# Altium PCB WL-MAIN.PcbDoc (part 3 of 4) (continued)
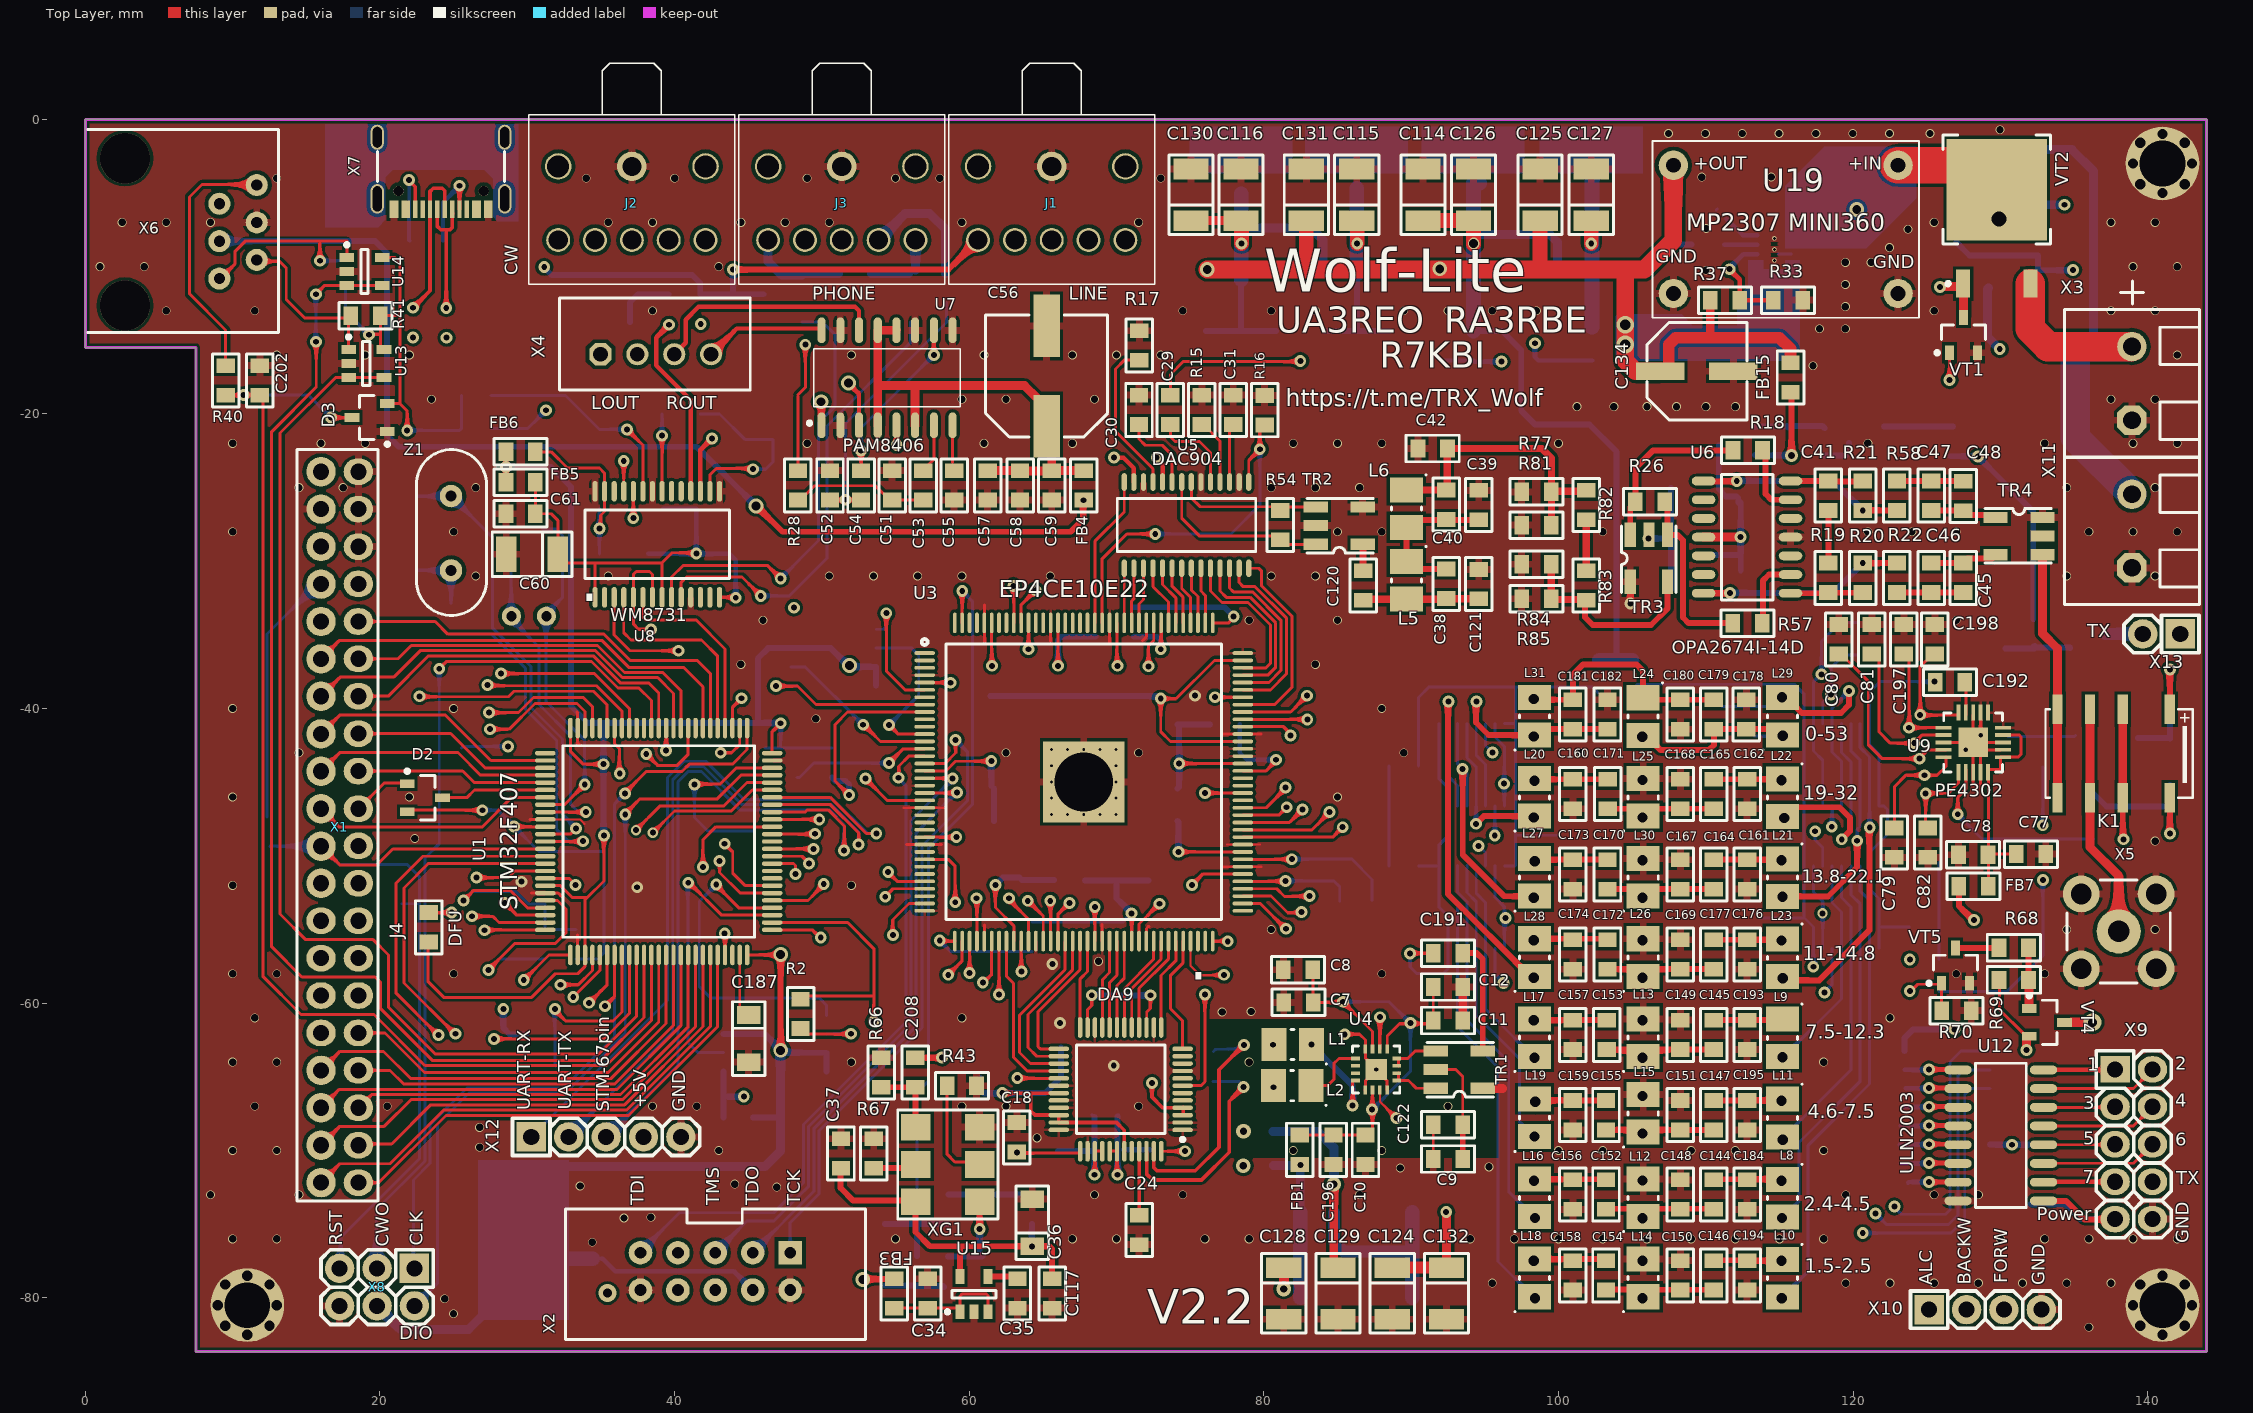
[diagram p0: Top Layer view]
## Nets (pads, with @x,y where several pads share a name; then routed paths per layer and width w, separated by ;. In a path a pad name is that pad's centre, name@x,y a point inside that pad or via, vN(x,y) a via of type N, cw(c..) or ccw(c..) an arc to the next point about the centre after c; other vN are vias at no path point) (continued)
NetR8_2: R8.2 U1.13 | length 22.5
  Top Layer w0.2: U1.13@31.225,-49.025 v1@33.725,-49.025
  Bottom Layer w0.2: R8.2@24.825,-34.925 27.53,-34.925 29.875,-37.27 29.875,-40.05 32,-42.175 32,-48.225 32.775,-49 v1(33.775,-49)
NetR9_2: R9.2 U3.9 | length 13.7
  Top Layer w0.2: v1(51.85,-45.875) 50.9,-44.925 50.9,-41.075 51.743,-40.232 U3.9@56.975,-40.232
  Bottom Layer w0.4: R9.2@50.675,-44.675 50.924,-44.924 51.599,-44.924 51.85,-45.175 v1(51.85,-45.875)
NetR10_2: R10.2 U3.14 | length 9.5
  Top Layer w0.2: v1(54.55,-43.7) 55.518,-42.732 U3.14@56.975,-42.732
  Bottom Layer w0.2: R10.2@48.325,-44.675 48.475,-44.675 49.45,-43.7 v1(54.55,-43.7)
NetR13_1: R13.1 R14.2 VT8.1 | length 4.5
  Bottom Layer w0.4: R14.2@130.325,-35.925 130.331,-35.919 132.282,-35.919 R13.1@132.3,-35.937 ; R13.1@132.193,-35.847 R13.1@132.25,-35.79 ; R13.1@132.325,-35.75 R13.1@132.406,-35.831 ; R13.1@132.442,-35.867 134.715,-35.867 VT8.1@134.735,-35.887
NetR15_2: R15.2 U5.18 | length 4.5
  Top Layer w0.2: R15.2@75.792,-20.725 75.9,-20.725 77.025,-21.85 U5.18@77.025,-24.625
NetR18_2: R18.2 U6.6 | length 4.7
  Top Layer w0.4: R18.2@114.05,-22.55 114.05,-25.425 114.45,-25.825 U6.6@115.75,-25.825
NetR19_2: R19.2 R20.1 U6.1 | length 5
  Top Layer w0.4: U6.1@115.75,-32.175 118.29,-32.175 118.325,-32.14 R20.1@120.75,-32.14
NetR20_2: R20.2 R22.1 U6.14 | length 14
  Top Layer w0.4: U6.14@109.85,-32.175 v1@111.65,-32.175 ; v1(120.65,-30.125) R22.1@122.975,-30.125
  Bottom Layer w0.4: v1(111.65,-32.15) 118.625,-32.15 v1(120.65,-30.125)
NetR21_2: R21.2 R58.1 U6.8 | length 14
  Top Layer w0.4: U6.8@109.85,-24.555 109.87,-24.575 v1@112.125,-24.575 ; v1(120.65,-26.55) R58.1@122.975,-26.55
  Bottom Layer w0.4: v1(112.1,-24.55) 118.65,-24.55 v1(120.65,-26.55)
NetR29_1: R29.1 U8.21 | length 5.2
  Top Layer w0.2: U8.21@39.15,-25.25 v1(39.15,-21.475)
  Bottom Layer w0.2: v1(39.15,-21.475) R29.1@39.15,-20
NetR30_1: R30.1 U8.18 | length 12.6
  Top Layer w0.3: v1(39.625,-13.95) 38.76,-14.815 38.76,-16.71 41.1,-19.05 U8.18@41.1,-25.25
NetR31_1: R31.1 U8.17 | length 12.4
  Top Layer w0.3: U8.17@41.75,-25.25 41.75,-22.45 v1@42.5,-21.7
  Layer 2 w0.3: v1(41.775,-13.9) 41.225,-14.45 41.225,-20.351 v1(42.534,-21.66)
NetR32_2: R32.2 U20.7 | length 2.3
  Bottom Layer w0.2: R32.2@111.25,-8.5 R32.2@111.258,-8.508
  Bottom Layer w0.3: R32.2@111.258,-8.508 U20.7@113.5,-8.508
NetR33_1: R33.1 R37.2 U20.6 | length 7.1
  Top Layer w0.3: v1(111.6,-10.175) 112.3,-10.875 R37.2@112.3,-12.175 ; R37.2@112.304,-12.271 R33.1@114.587,-12.271 114.729,-12.271 R33.1@114.775,-12.225
  Bottom Layer w0.3: v1(111.6,-10.175) 111.6,-10.1 112.542,-9.158 U20.6@113.5,-9.158
NetR39_1: R39.1 R53.2 VT3.1 | length 4.6
  Bottom Layer w0.2: R53.2@130.525,-41.9 135.024,-41.9 VT3.1@135.099,-41.825
NetR43_1: R43.1 XG1.2 | length 7.1
  Top Layer w0.2: R43.1@58.502,-65.606 58.502,-70.252 59.025,-70.775 60.375,-70.775 XG1.2@60.625,-71.025
  Top Layer w0.4: XG1.2@61.1,-71.225 XG1.2@61.125,-71.2
NetR51_1: R51.1 VD2.1 VT1.3 VT2.1 | length 20
  Top Layer w0.2: VT2.1@127.47,-11.341 VT2.1@127.5,-11.371
  Top Layer w0.6: v1@125.884,-11.341 VT2.1@127.47,-11.341 ; VT1.3@127.5,-13.45 VT2.1@127.5,-11.371
  Layer 2 w0.6: v1(125.9,-11.375) 132.125,-11.375 134.35,-9.15 v1(134.35,-5.8)
  Bottom Layer w0.6: R51.1@132.5,-4.05 132.5,-5.65 VD2.1@132.65,-5.8 v1@134.45,-5.8
NetR51_2: R51.2 R52.2 VT2.2 X3.2 X11.2 | length 47.7
  Top Layer w2: VT2.2@132.03,-11.157 132.03,-14.23 133.225,-15.425 X3.2@138.875,-15.425
  Bottom Layer w0.6: R52.2@127,-2.05 132.45,-2.05 R51.2@132.5,-2.1 ; R51.2@132.5,-2.05 134.85,-2.05 136.325,-3.525 136.325,-15.425
  Bottom Layer w2: X3.2@138.875,-15.425 136.325,-15.425 135.075,-15.425 135.075,-21.6 X11.2@138.925,-25.45
NetR52_1: R52.1 VD1.2 VD2.2 X1.1 | length 150.6
  Layer 3 w0.4: X1.1@16,-23.92 17.825,-22.095 17.825,-10.4 20.7,-7.525 29.55,-7.525 32.15,-4.925 125.675,-4.925 130.975,-10.225 v1(134.925,-10.225)
  Bottom Layer w0.4: R52.1@126.975,-4.025 R52.1@127,-4.05 127,-8.35 127.9,-9.25 132.55,-9.25 132.55,-10.25 ; VD1.2@132.55,-11.45 132.55,-10.25 ; v1@134.85,-10.25 132.55,-10.25
NetR54_1: R54.1 TR2.1 U5.22 | length 12.3
  Top Layer w0.2: U5.22@74.425,-24.625 74.425,-27.075 75.65,-28.3 80.875,-28.3 R54.1@81.125,-28.55 81.425,-28.85 TR2.1@83.525,-28.85
NetR54_2: R54.2 TR2.3 U5.21 | length 10
  Top Layer w0.2: U5.21@75.075,-24.625 75.075,-25.7 75.675,-26.3 80.875,-26.3 R54.2@81.125,-26.55 81.365,-26.31 TR2.3@83.525,-26.31
NetR56_2: R56.2 X7.10 | length 6.3
  Top Layer w0.25: v1(21.975,-4.125) 21.975,-4.158 22.4,-4.583 X7.10@22.4,-6.1
  Bottom Layer w0.25: v1(21.975,-4.125) 21.985,-4.135 21.985,-6.492 21.975,-6.502 21.975,-8.195 R56.2@22.022,-8.243
NetR57_2: R57.2 U6.2 | length 4.7
  Top Layer w0.4: R57.2@113.875,-33.975 113.875,-31.325 114.295,-30.905 U6.2@115.75,-30.905
NetR59_2: R59.2 U3.21 | length 4.6
  Top Layer w0.2: v1(52.95,-44.75) 54.432,-46.232 U3.21@56.975,-46.232
NetR60_2: R60.2 U3.92 | length 7.1
  Top Layer w0.2: U3.92@78.575,-44.232 80.143,-44.232 v1@80.825,-43.55
  Bottom Layer w0.3: R60.2@78.35,-41.075 78.35,-42.975 78.85,-43.475 v1(80.825,-43.475)
NetR67_2: R67.2 XG1.5 | length 3
  Top Layer w0.4: R67.2@53.524,-71.2 56.35,-71.2 XG1.5@56.375,-71.175 ; XG1.5@56.134,-70.784 XG1.5@56.2,-70.85
NetR68_1: R68.1 VT5.3 | length 3
  Top Layer w0.2: R68.1@129.896,-56.246 R68.1@129.925,-56.275
  Top Layer w0.4: VT5.3@126.95,-56.246 R68.1@129.896,-56.246
NetR68_2: R68.2 R69.1 VT4.1 | length 4
  Top Layer w0.2: R69.1@131.904,-58.229 R69.1@132,-58.325
  Top Layer w0.4: R69.1@131.904,-58.229 R68.2@131.904,-56.223
  Top Layer w0.6: VT4.1@131.935,-60.3 131.935,-58.54 R69.1@132,-58.475
NetR70_2: R70.2 R71.2 VT5.1 | length 4.1
  Top Layer w0.2: v1(123.85,-59.175) 123.915,-59.175 124.378,-58.713 125.934,-58.713 VT5.1@126,-58.646 R70.2@126,-60.35
  Bottom Layer w0.2: v1(123.85,-59.175) 123.867,-59.192 R71.2@123.876,-59.192
NetR72_1: R72.1 VT7.3 | length 2.4
  Bottom Layer w0.4: R72.1@118.041,-22.83 119.491,-22.83 119.725,-22.596 VT7.3@119.725,-21.975
NetR72_2: R72.2 R73.1 VT6.1 | length 4.7
  Bottom Layer w0.4: VT6.1@113.352,-20.88 113.377,-20.855 115.555,-20.855 R73.1@115.625,-20.925 ; R73.1@115.507,-20.816 R73.1@115.52,-20.803 ; R73.1@115.75,-20.83 117.93,-20.83 R72.2@118.075,-20.975
NetR74_2: R74.2 R75.2 VT7.1 | length 4.7
  Bottom Layer w0.4: VT7.1@122.098,-20.864 122.115,-20.847 126.772,-20.847 R75.2@126.775,-20.85
NetR78_2: R78.2 X7.4 | length 5.7
  Top Layer w0.25: X7.4@25.4,-6.1 v1@25.4,-4.6
  Bottom Layer w0.25: R78.2@24.275,-8.243 24.275,-5.644 25.295,-4.625 v1@25.5,-4.625
  other v1: 25.41,-4.51
NetR79_1: R79.1 X7.5 X7.7 | length 8.6
  Top Layer w0.25: X7.7@23.9,-6.1 23.9,-7.275 24.125,-7.5 24.45,-7.5 ; v1(24.501,-12.819) 24.501,-7.551 24.45,-7.5 ; X7.5@24.925,-6.4 24.9,-6.425 24.9,-7.354 24.754,-7.5 24.45,-7.5
NetR80_1: R80.1 X7.6 X7.8 | length 10.5
  Top Layer w0.25: v1@22.3,-12.775 22.3,-12.745 23.4,-11.645 X7.8@23.4,-6.1 23.4,-4.9 23.625,-4.675 24.229,-4.675 24.4,-4.847 24.4,-5.85 X7.6@24.425,-5.875
  other v1: 22.251,-12.794
NetR82_2: R82.2 R83.1 | length 3.3
  Top Layer w0.5: R83.1@101.8,-30.425 101.844,-30.425 101.875,-30.394 R82.2@101.875,-27.188
NetR83_2: R83.2 R84.2 R85.2 TR3.4 | length 13.6
  Top Layer w0.4: R83.2@101.8,-32.7 101.8,-33.8 102.325,-34.325 106.275,-34.325 107.408,-33.192 TR3.4@107.408,-31.388
  Top Layer w0.5: R85.2@99.4,-32.375 99.5,-32.275 R84.2@99.5,-30.2 ; R85.2@99.581,-32.594 R83.2@101.8,-32.594
NetTR1_1: TR1.1 U4.13 U4.14 | length 3.3
  Top Layer w0.2: U4.14@89.125,-64.75 89.125,-65.25 89.825,-65.25 90.35,-65.775 TR1.1@91.675,-65.775
NetTR1_3: TR1.3 U4.15 U4.16 | length 3.3
  Top Layer w0.2: U4.15@89.125,-64.25 89.125,-63.75 89.775,-63.75 90.29,-63.235 TR1.3@91.675,-63.235
NetU1_64: U1.64 U7.5 | length 36.4
  Top Layer w0.2: U1.64@46.625,-48.525 v1@49.6,-48.525 ; U7.5@55.06,-20.775 55.075,-20.79 v1(55.075,-22.1)
  Layer 2 w0.2: v1@48.075,-33.1 48.075,-25.575 49.825,-23.825 53.35,-23.825 v1(55.075,-22.1)
  Layer 3 w0.2: v1@48.075,-33.1 48.075,-47.125 49.45,-48.5 v1(49.525,-48.5) v1@49.625,-48.5
  other v1: 48.1,-33.15
NetU2_1: U2.1 U3.8 | length 12
  Top Layer w0.2: v1@46.95,-38.475 48.35,-38.475 49.607,-39.732 U3.8@56.975,-39.732
  Bottom Layer w0.2: v1(46.875,-38.475) 48.25,-38.475 U2.1@48.285,-38.44
NetU2_2: U2.2 U3.13 | length 11.3
  Top Layer w0.2: v1(52.8,-41.1) 52.8,-41.05 53.982,-42.232 U3.13@56.975,-42.232
  Bottom Layer w0.2: U2.2@47.9,-37.175 48.875,-37.175 v1(52.8,-41.1) v1@52.8,-41.075
NetU2_5: U2.5 U3.6 | length 8.7
  Top Layer w0.2: v1(54.375,-33.525) 54.375,-37.45 55.657,-38.732 U3.6@56.975,-38.732
  Bottom Layer w0.2: U2.5@53.7,-34.615 54.205,-34.615 54.375,-34.445 v1(54.375,-33.525)
NetU2_6: U2.6 U3.12 | length 11.4
  Top Layer w0.2: v1(54.55,-41.125) 54.55,-41.1 55.182,-41.732 U3.12@56.975,-41.732
  Bottom Layer w0.2: U2.6@53.685,-35.9 U2.6@54.485,-35.9 54.9,-35.9 56.1,-35.9 56.575,-36.375 56.575,-39.1 v1(54.55,-41.125)
NetU7_1: U7.1 X4.2 | length 15.4
  Top Layer w0.2: v7(49.95,-19.175) v7@49.965,-19.19 ; U7.1@49.965,-20.76 U7.1@49.98,-20.775
  Top Layer w0.4: U7.1@49.965,-20.76 v7@49.965,-19.19
  Layer 3 w0.3: X4.2@37.475,-15.95 38.9,-17.375 48.15,-17.375 49.825,-19.05 v7@49.95,-19.05
NetU7_3: U7.3 X4.1 | length 21.8
  Top Layer w0.3: v7@51.825,-17.95 52.52,-18.645 U7.3@52.52,-20.775
  Layer 3 w0.3: X4.1@34.975,-15.95 36.175,-14.75 44.187,-14.75 45.437,-16 48.585,-16 49.165,-16 49.914,-16 51.689,-17.775 v7@51.95,-17.775
  other v7: 51.809,-17.895
NetU7_14: U7.14 X4.3 | length 16.2
  Top Layer w0.3: X4.3@39.975,-15.95 40.75,-15.175 40.75,-13.6 41.626,-12.724 52.249,-12.724 52.52,-12.995 U7.14@52.52,-14.325
NetU7_16: U7.16 X4.4 | length 8.2
  Top Layer w0.3: X4.4@42.475,-15.95 44.225,-14.2 U7.16@50,-14.2
NetU11_9: U11.9 U12.7 | length 3.4
  Top Layer w0.3: v1@125.151,-72.149 U12.7@127.125,-72.149
  Bottom Layer w0.3: U11.9@123.725,-72.175 123.761,-72.139 125.147,-72.139 v1(125.15,-72.136)
NetU11_10: U11.10@123.5,-70.872 U12.6 | length 3.7
  Top Layer w0.3: v1(125.15,-70.85) 127.096,-70.85 U12.6@127.125,-70.879
  Bottom Layer w0.3: U11.10@123.225,-70.872 U11.10@123.5,-70.872 v1@124.922,-70.872
NetU11_11: U11.11 U12.5 | length 3.7
  Top Layer w0.3: v1(125.15,-69.575) 127.091,-69.575 U12.5@127.125,-69.609
  Bottom Layer w0.3: U11.11@123.15,-69.597 v1@124.847,-69.597
NetU11_12: U11.12 U12.4 | length 3.7
  Top Layer w0.3: v1(125.15,-68.3) 127.086,-68.3 U12.4@127.125,-68.339
  Bottom Layer w0.3: U11.12@123.225,-68.322 v1@124.922,-68.322
NetU11_13: U11.13 U12.3 | length 3.7
  Top Layer w0.3: v1(125.15,-67.025) 127.081,-67.025 U12.3@127.125,-67.069
  Bottom Layer w0.3: U11.13@123.325,-67.047 v1@125.022,-67.047
NetU11_14: U11.14 U12.2 | length 3.7
  Top Layer w0.3: v1(125.15,-65.75) 127.076,-65.75 U12.2@127.125,-65.799
  Bottom Layer w0.3: U11.14@123.575,-65.772 v1@125.272,-65.772
NetU11_15: U11.15 U12.1 | length 3.7
  Top Layer w0.3: v1(125.15,-64.5) 127.096,-64.5 U12.1@127.125,-64.529
  Bottom Layer w0.3: U11.15@123.5,-64.522 v1@125.197,-64.522
NetVT8_3: VT8.3 X13.2 | length 2.5
  Bottom Layer w0.8: VT8.3@137.135,-34.937 139.463,-34.937 X13.2@139.575,-34.825
OPA_INA: R26.1 R57.1 TR3.3 | length 12.3
  Top Layer w0.4: R26.1@107.218,-25.958 107.408,-26.148 TR3.3@107.408,-28.208 108.083,-28.208 108.45,-28.575 108.45,-33.825 108.825,-34.2 R57.1@111.825,-34.2
OPA_INB: R18.1 R26.2 TR3.1 | length 11.8
  Top Layer w0.4: TR3.1@104.868,-28.208 104.868,-26.308 R26.2@105.218,-25.958 105.218,-23.682 106.425,-22.475 R18.1@111.85,-22.475
OUT_B1: L18.2 U17.6 U17.10 | length 31.8
  Bottom Layer w0.2: U17.10@92.512,-50.65 92.512,-52.637 93.147,-53.272 U17.6@93.147,-56.25 ; U17.6@93.147,-56.275 93.147,-61.597 95.9,-64.35 95.9,-77.525 v4(98.4,-80.025)
OUT_B2: L16.2 U17.5 U17.11 | length 26.1
  Bottom Layer w0.2: U17.11@93.147,-50.65 93.147,-52.472 93.782,-53.107 U17.5@93.782,-56.25 ; U17.5@93.782,-56.275 93.782,-61.158 96.625,-64 96.625,-72.8 v4@98.45,-74.625
  other v4: 98.4,-74.575
OUT_B3: L19.2 U17.4 U17.12 | length 20.3
  Bottom Layer w0.2: U17.12@93.782,-50.65 93.782,-52.482 94.417,-53.117 U17.4@94.417,-56.25 ; U17.4@94.417,-56.275 94.417,-60.842 97.35,-63.775 97.35,-68.05 v4@98.375,-69.075
  other v4: 98.375,-69.05
OUT_B4: L17.2 U17.3 U17.13 | length 14.7
  Bottom Layer w0.2: U17.13@94.417,-50.65 94.417,-52.542 95.052,-53.177 U17.3@95.052,-56.25 ; U17.3@95.052,-56.275 95.052,-60.403 v4@98.375,-63.725
  other v4: 98.375,-63.7
OUT_B5: L28.2 U18.6 U18.10 | length 28.6
  Top Layer w0.2: L28.2@98.075,-58.175 L28.2@98.375,-58.175
  Top Layer w0.4: v1@92.5,-39.525 92.5,-52.6 L28.2@98.075,-58.175
  Bottom Layer w0.2: v1(92.525,-39.525) 92.512,-39.538 U18.10@92.512,-41.025 92.512,-44.587 93.147,-45.222 U18.6@93.147,-46.625
  other v8: 98.325,-58.275
OUT_B6: L27.2 U18.5 U18.11 | length 17.7
  Top Layer w0.4: v1@93.5,-44.1 93.5,-49.925 96.312,-52.738 L27.2@98.375,-52.738
  Bottom Layer w0.2: U18.11@93.147,-41.025 93.147,-43.747 93.475,-44.075 v1(93.475,-44.1) 93.5,-44.1 93.782,-44.382 U18.5@93.782,-46.625
  other v5: 98.325,-52.838
OUT_B7: L20.2 U18.4 U18.12 | length 11.6
  Top Layer w0.4: v1(94.4,-47.825) 94.925,-47.3 L20.2@98.375,-47.3
  Bottom Layer w0.2: U18.12@93.782,-41.025 93.782,-43.332 94.417,-43.967 U18.4@94.417,-46.625 94.417,-48.133 v1@94.4,-48.15
  other v5: 98.325,-47.4
OUT_B8: C181.2 C182.2 L31.2 U18.3 U18.13 | length 18.2
  Top Layer w0.4: v1@94.4,-39.55 94.4,-40.95 95.25,-41.8 L31.2@98.375,-41.8 98.775,-41.4 C181.2@100.975,-41.4 C182.2@103.325,-41.4
  Bottom Layer w0.2: v1@94.375,-39.525 94.417,-39.567 U18.13@94.417,-41.025 94.417,-43.167 95.052,-43.802 U18.3@95.052,-46.625
  other v1: 94.425,-39.525
  other v5: 98.325,-41.9
OUT_RX/TX: VT4.3 X9.8 | length 18.2
  Top Layer w0.6: VT4.3@134.347,-61.299 134.723,-61.299 134.724,-61.3 v12@135.862,-61.3
  Layer 3 w0.6: v12(136.25,-61.3) 140.525,-61.3 142.625,-63.4 142.625,-69.91 X9.8@140.55,-71.985
PERI_MISO: D1.2 U1.53 X1.27 | length 48
  Top Layer w0.2: v1@40.85,-51.9 41.075,-51.9 43.2,-54.025 U1.53@46.625,-54.025
  Layer 2 w0.2: X1.27@16,-56.94 17.25,-55.69 20.89,-55.69 21.79,-56.59 36.16,-56.59 v1(40.925,-51.825)
  Bottom Layer w0.2: v1@40.9,-51.825 40.9,-62.675 41.585,-63.36 D1.2@43.325,-63.36
PERI_MOSI: D1.5 U1.54 X1.30 | length 49.4
  Top Layer w0.2: v1@42.8,-51.975 44.35,-53.525 U1.54@46.625,-53.525
  Layer 2 w0.2: X1.30@18.54,-59.48 27.095,-59.48 29.25,-57.325 37.4,-57.325 v1@42.8,-51.925
  Bottom Layer w0.2: v1@43.025,-51.75 41.675,-53.1 41.675,-58.875 42.45,-59.65 49.825,-59.65 50.325,-60.15 D1.5@50.325,-60.82
  other v1: 42.825,-51.95
PERI_SCK: R2.2 U1.52 X1.29 | length 55.8
  Top Layer w0.2: U1.52@46.625,-54.525 51.75,-54.525 53.525,-56.3 53.525,-59.45 ; R2.2@48.55,-59.5 53.475,-59.5 53.525,-59.45 ; v1(53.525,-61.25) 53.525,-59.45
  Layer 3 w0.2: X1.29@16,-59.48 17.27,-60.75 20.575,-60.75 21.075,-61.25 v1(53.525,-61.25)
Power-IN: R3.2 R7.1 U1.33 | length 12.7
  Top Layer w0.2: v1@31.95,-60.55 32.6,-61.2 35.825,-61.2 36.425,-60.6 U1.33@36.425,-56.725
  Bottom Layer w0.2: v1(31.875,-60.4) 31.875,-64.2 R3.2@31.925,-64.25
POWER-ON: C43.1 C44.1 C186.2 C188.1 K1.1 R7.2 R69.2 U12.9 U19.3 U20.1 U20.2 VD3.2 VT2.3 VT4.2 X9.9 X13.1 | length 287.2
  Top Layer w0.2: R69.2@129.922,-58.424 129.922,-60.424 131.575,-62.076 VT4.2@131.575,-62.15
  Top Layer w0.4: VT2.3@128.1,-3.125 VT2.3@129.75,-4.775 ; U12.9@132.925,-73.419 134.444,-73.419 135.7,-74.675 X9.9@137.8,-74.675 ; K1.1@141.5,-40.05 v1(141.5,-37.35)
  Top Layer w0.6: v1@131.775,-63.075 VT4.2@131.775,-62.399
  Top Layer w2.5: U19.3@123.05,-3.125 VT2.3@128.1,-3.125
  Layer 2 w0.4: v7(120.25,-6.125) 120.365,-6.01 120.365,-5.81 U19.3@123.05,-3.125
  Layer 3 w0.2: v1(28.375,-60.4) 24.9,-60.4 20.85,-56.35 20.85,-10.375 22.925,-8.3 29.875,-8.3 32.05,-6.125 v7(120.25,-6.125)
  Layer 3 w0.8: v17(129.9,-6.775) 134.575,-6.775 136.4,-8.6 136.4,-11.625 131.775,-16.25 131.775,-37.35 ; X9.9@137.78,-74.655 137.505,-74.655 131.775,-68.925 131.775,-37.35 ; X13.1@142.05,-35.025 142.2,-35.175 142.2,-36.65 v1(141.5,-37.35) 131.775,-37.35
  Bottom Layer w0.4: v1(28.375,-60.4) 28.375,-61.675 28.825,-62.125 R7.2@29.925,-62.125 ; C186.2@132.025,-73.675 134.425,-73.675 135.4,-74.65 X9.9@137.6,-74.65 ; C188.1@139.35,-42 141.45,-42 141.5,-42.05 v1(141.5,-37.35)
  other v1: 131.768,-63.175
PTT: C202.2 D3.3 R40.2 U1.37 | length 84.4
  Top Layer w0.2: R40.2@9.525,-18.725 C202.2@11.85,-18.725 12.05,-18.925 12.05,-58.175 14.645,-60.77 19.59,-60.77 23.045,-64.225 35.375,-64.225 38.425,-61.175 U1.37@38.425,-56.725 ; v1(16.675,-20.25) D3.3@18.1,-20.25
  Bottom Layer w0.2: v1(10.75,-18.725) 15.15,-18.725 v1(16.675,-20.25)
PTT_SW1: U1.35 U13.3 U13.4 | length 76.7
  Top Layer w0.2: U13.4@20.275,-17.525 U13.3@17.875,-17.525 17,-17.525 13.225,-21.3 13.225,-53.95 14.965,-55.69 19.54,-55.69 20.575,-56.725 20.575,-60.275 23.75,-63.45 34.85,-63.45 37.425,-60.875 U1.35@37.425,-56.725
PTT_SW2: U1.36 U14.3 U14.4 | length 85.2
  Top Layer w0.2: v1@15.675,-15.075 15.675,-18.178 12.65,-21.203 12.65,-56.175 14.7,-58.225 19.675,-58.225 20.05,-58.6 20.05,-60.375 23.55,-63.875 35.025,-63.875 37.925,-60.975 U1.36@37.925,-56.725 ; v1@15.675,-11.85 16.25,-11.275 U14.3@17.75,-11.275 U14.4@20.15,-11.275
  Bottom Layer w0.2: v1(15.65,-15.1) v1(15.65,-11.875)
PTT_T: R40.1 X6.1 | length 17.4
  Top Layer w0.2: R40.1@9.525,-16.725 9.525,-14.3 7.075,-11.85 7.075,-5.275 7.925,-4.425 11.6,-4.425 X6.1@11.64,-4.465
RHP_OUT: J3.3 R27.1 | length 8.7
  Bottom Layer w0.6: J3.3@53.85,-8.2 55.65,-6.4 57.325,-6.4 58.4,-7.475 R27.1@58.4,-10.475
RX/TX: R13.2 R39.2 R71.1 R75.1 U3.72 | length 142.6
  Top Layer w0.2: U3.72@76.525,-55.782 v1@77.507,-55.782
  Layer 2 w0.2: v1(77.55,-55.8) 82.6,-55.8 87.25,-51.15 87.25,-39.275 89.7,-36.825 119.925,-36.825 120.95,-37.85 120.95,-45.65 123.25,-47.95 132.85,-47.95 v1(132.875,-47.925) ; v1@128.425,-22.85 132.875,-27.3 v1(132.875,-47.925) ; v1@132.875,-51.725 132.877,-51.723 132.877,-47.927 v1(132.875,-47.925)
  Bottom Layer w0.2: R71.1@125.825,-59.192 130.458,-59.192 132.875,-56.775 v1@132.875,-51.65 ; R75.1@126.575,-22.83 R75.1@126.62,-22.875 ; v1(132.875,-47.925) 132.875,-43.982 R39.2@132.882,-43.975
  Bottom Layer w0.4: R75.1@126.62,-22.875 v1@128.425,-22.875 ; v1(128.472,-22.885) 132.225,-26.639 R13.2@132.225,-33.925
  other v1: 132.88,-51.638
STM_67: U1.67 X12.3 | length 47.8
  Top Layer w0.2: U1.67@46.625,-47.025 48.875,-47.025 49.025,-46.875 50.425,-46.875 51.525,-47.975 v1@51.525,-49.475
  Bottom Layer w0.2: X12.3@35.35,-69.075 40.225,-64.2 40.225,-44.975 40.925,-44.275 41.825,-44.275 44.425,-46.875 50.5,-46.875 51.492,-47.867 51.492,-49.542 v1@51.5,-49.55
  other v1: 51.492,-49.637
STM_68: U1.68 X12.2 | length 50.1
  Top Layer w0.2: U1.68@46.625,-46.525 50.57,-46.525 52.5,-48.455 v1@52.5,-49.175
  Bottom Layer w0.2: X12.2@32.975,-68.85 39.875,-61.95 39.875,-44.83 40.78,-43.925 41.97,-43.925 44.57,-46.525 50.645,-46.525 52.492,-48.372 v1(52.492,-49.237) 52.492,-49.242 v1@52.55,-49.3
STM_69: U1.69 X12.1 | length 51.8
  Top Layer w0.2: U1.69@46.625,-46.025 50.565,-46.025 53.015,-48.475 v1@53.65,-48.475
  Bottom Layer w0.2: X12.1@30.97,-68.375 39.525,-59.82 39.525,-44.685 40.635,-43.575 42.115,-43.575 44.715,-46.175 50.79,-46.175 53.086,-48.471 53.529,-48.471 v1@53.575,-48.425
  other v1: 53.693,-48.471
STM_NRST: C5.2 R76.2 U1.14 X1.21 X8.5 | length 57.4
  Top Layer w0.2: X1.21@16,-49.344 17.266,-50.61 19.79,-50.61 20.875,-49.525 U1.14@31.225,-49.525
  Bottom Layer w0.2: R76.2@12.55,-49.35 12.556,-49.344 X1.21@16,-49.344 17.256,-50.6 21.875,-50.6 22.7,-51.425 22.7,-53.25 ; X8.5@17.325,-78.181 17.325,-75.925 22.7,-70.55 22.7,-53.25 ; C5.2@21.5,-53.25 22.7,-53.25
SW1: R41.1 U13.1 X6.5 | length 11.2
  Top Layer w0.2: X6.5@11.675,-9.525 11.8,-9.65 13.2,-9.65 13.64,-10.09 13.64,-12.24 14.875,-13.475 17.875,-13.475 U13.1@17.875,-15.625
SW2: R42.1 U14.1 X6.6 | length 14.1
  Top Layer w0.2: X6.6@9.3,-10.675 10.175,-9.8 10.175,-8.95 10.85,-8.275 15.975,-8.275 ; v1(15.925,-9.6) 15.925,-8.325 15.975,-8.275 ; U14.1@17.75,-9.375 17.75,-8.275 15.975,-8.275
  Bottom Layer w0.2: v1@15.95,-9.6 R42.1@17.648,-9.6
SWCLK: U1.76 X8.1 | length 53.1
  Top Layer w0.2: v1@36.575,-45.775 38.075,-44.275 40.5,-44.275 41,-43.775 43.925,-43.775 44.925,-42.775 U1.76@44.925,-41.325
  Bottom Layer w0.2: X8.1@22.275,-78.032 22.275,-71.995 23.4,-70.87 23.4,-68.255 25.905,-65.75 32.452,-65.75 35.925,-62.277 35.925,-46.475 v1(36.625,-45.775)
SWDIO: U1.72 X8.2 | length 54.1
  Top Layer w0.2: v1@36.675,-47.1 37.65,-46.125 42.9,-46.125 44.5,-44.525 U1.72@46.625,-44.525
  Bottom Layer w0.2: X8.2@22.342,-80.545 23.91,-78.976 23.91,-68.24 26.05,-66.1 32.597,-66.1 36.65,-62.047 v1(36.65,-47.2)
SWO: U1.89 X8.3 | length 59.9
  Top Layer w0.2: v1(24.025,-37.3) 24.525,-36.8 34.365,-36.8 36.165,-38.6 37.575,-38.6 38.425,-39.45 U1.89@38.425,-41.325
  Bottom Layer w0.2: X8.3@19.775,-78.05 19.775,-74 23.05,-70.725 23.05,-50.15 24.025,-49.175 v1@24.025,-37.5
SWR_BACKW: U1.16 X10.2 | length 143.5
  Top Layer w0.2: v1(25.125,-62.075) 25.075,-62.075 21.625,-58.625 21.625,-52.175 23.275,-50.525 U1.16@31.225,-50.525
  Layer 3 w0.2: v1(25.125,-62.075) 25.75,-62.7 25.75,-79.45 28.125,-81.825 122.52,-81.825 123.27,-82.575 126.35,-82.575 127.698,-81.227 X10.2@127.698,-80.8
SWR_FORW: U1.15 X10.3 | length 148.1
  Top Layer w0.2: v1@24,-62.1 23.875,-62.1 21.1,-59.325 21.1,-51.85 22.925,-50.025 U1.15@31.225,-50.025
  Layer 3 w0.2: v1(23.975,-62.15) 25.275,-63.45 25.275,-79.875 27.575,-82.175 122.375,-82.175 123.3,-83.1 128.2,-83.1 130.238,-81.062 X10.3@130.238,-80.8
TCK: U3.16 X2.1 | length 43.4
  Top Layer w0.2: U3.16@56.975,-43.732 58.368,-43.732 59.075,-43.025 v1(59.075,-42.125)
  Bottom Layer w0.2: X2.1@47.845,-76.935 47.845,-74.89 49.8,-72.935 49.8,-68.66 56.8,-61.66 56.8,-49.325 59.875,-46.25 59.875,-42.925 v1(59.075,-42.125)
TDI: U3.15 X2.9 | length 46.5
  Top Layer w0.2: v1@55.225,-44.775 55.225,-43.9 55.893,-43.232 U3.15@56.975,-43.232
  Bottom Layer w0.2: X2.9@37.7,-76.85 40.325,-74.225 46.725,-74.225 48.75,-72.2 48.75,-68.225 55.7,-61.275 55.7,-45.225 55.2,-44.725 v1(55.2,-44.7)
TDO: U3.20 X2.3 | length 39.2
  Top Layer w0.2: U3.20@56.975,-45.732 59.143,-45.732 v1(59.175,-45.7)
  Bottom Layer w0.2: X2.3@45.35,-77.075 45.35,-76.89 49.45,-72.79 49.45,-68.515 56.4,-61.565 56.4,-48.425 v1@59.075,-45.75
TMS: U3.18 X2.5 | length 41.8
  Top Layer w0.2: U3.18@56.975,-44.732 58.857,-44.732 v1(58.875,-44.75)
  Bottom Layer w0.2: X2.5@42.76,-76.94 44.925,-74.775 46.75,-74.775 48.45,-73.075 49.1,-72.425 49.1,-68.37 56.05,-61.42 56.05,-47.6 v1@58.875,-44.775
USB_D+: R80.2 U1.71 | length 50.3
  Top Layer w0.2: v10(37.375,-48.25) 39.025,-46.6 43.35,-46.6 44.925,-45.025 U1.71@46.625,-45.025
  Layer 2 w0.2: v1@22.225,-14.825 33.375,-25.975 33.375,-40.325 37.375,-44.325 v10(37.375,-48.25)
  other v1: 22.251,-14.819
USB_D-: R79.2 U1.70 | length 48.3
  Top Layer w0.2: v10(38.525,-48.425) 40,-46.95 43.85,-46.95 45.275,-45.525 U1.70@46.225,-45.525
  Layer 2 w0.2: v1(24.525,-14.825) 24.525,-16.575 33.725,-25.775 33.725,-40.18 38.525,-44.98 v10(38.525,-48.425)
W25Q16_CS: D1.1 R1.1 U1.51 | length 21
  Top Layer w0.2: U1.51@46.625,-55.025 49.35,-55.025 v1@49.9,-55.575
  Layer 2 w0.2: v1(44.7,-66.325) 44.7,-60.775 v1(49.925,-55.55)
  Bottom Layer w0.4: R1.1@43.325,-67.75 43.325,-66.35 ; D1.1@43.325,-64.63 43.325,-66.35 ; v1@44.775,-66.325 44.75,-66.35 43.325,-66.35
WM8731_ADC_SD: U1.79 U8.6 | length 13.2
  Top Layer w0.2: U8.6@37.85,-32.45 37.85,-33.825 38,-33.975 41.45,-33.975 43.425,-35.95 U1.79@43.425,-41.325
WM8731_BCLK: U1.78 U8.3 | length 14.9
  Top Layer w0.2: U8.3@35.9,-32.45 35.9,-35 36.975,-36.075 v1@39.975,-36.075 ; U1.78@43.925,-41.325 43.925,-39.925 v1@44.475,-39.375
  Layer 2 w0.2: v1(40.275,-36.075) 41.325,-36.075 v1(44.55,-39.3)
WM8731_DAC_SD: U1.80 U8.4 | length 14.3
  Top Layer w0.2: U8.4@36.55,-32.45 36.55,-34.85 37.05,-35.35 41.825,-35.35 42.925,-36.45 U1.80@42.925,-41.325
WM8731_SCK: R34.2 U1.84 U8.24 | length 37.5
  Top Layer w0.2: v1(37.2,-27.075) U8.24@37.2,-25.25 ; v1(38.075,-43.075) 38.875,-43.875 40.15,-43.875 40.925,-43.1 U1.84@40.925,-41.325
  Layer 2 w0.2: v1(31.275,-19.75) 32.85,-21.325 32.85,-22.725 v1(37.2,-27.075)
  Layer 3 w0.2: v1(37.2,-27.075) 37.2,-42.2 v1(38.075,-43.075)
  Bottom Layer w0.2: R34.2@27.525,-21 30.025,-21 v1(31.275,-19.75)
WM8731_SDA: R35.2 U1.87 U8.23 | length 39.4
  Top Layer w0.2: v1@36.7,-21.025 36.75,-21.025 v1(36.775,-21.05) 37.85,-22.125 U8.23@37.85,-25.25 ; v1@39.425,-42.9 v1(39.425,-42.85) U1.87@39.425,-41.325
  Layer 2 w0.2: v1(36.775,-21.05) 39.4,-23.675 v1@39.4,-42.85
  Bottom Layer w0.2: R35.2@27.525,-18.75 32.6,-18.75 34.9,-21.05 v1(36.775,-21.05)
WM8731_WS_LRC: U1.77 U8.5 U8.7 | length 20.5
  Top Layer w0.2: v1@38.2,-34.625 37.575,-34.625 37.2,-34.25 U8.5@37.2,-32.45 37.2,-30.9 37.4,-30.7 38.3,-30.7 38.5,-30.9 U8.7@38.5,-32.45 ; v1(43.127,-43.002) 43.873,-43.002 44.425,-42.45 U1.77@44.425,-41.325
  Layer 3 w0.2: v1(38.4,-34.625) 38.4,-38.275 v1(43.127,-43.002)
pads on no net: C20. C27. C36. C60. C64. C65. C71. C73. C74. C112. C114. C115. C116. C123. C124. C125. C126. C127. C128. C129. C130. C131. C132. C187. C189. C206. D2. D3. DA2. DA3. DA4. DA5. DA6. DA7. DA8. DA9.2@74.283,-69.85 DA9.5 DA9.6 DA9.8 DA9.10 DA9.11 DA9.44 J1. J1.2 J1.3 J1.4 J2. J2.3 J2.4 J3. TR4.2 U1. U1.1 U1.48 U1.58 U1.59 U1.63 U1.83 U1.90 U1.91 U1.96 U3.0 U3.1 U3.2 U3.3 U3.7 U3.10 U3.11 U3.23 U3.24 U3.25 U3.28 U3.30 U3.31 U3.34 U3.70 U3.71 U3.73 U3.88 U3.90 U3.91 U3.126 U3.127 U3.128 U3.129 U3.132 U3.133 U3.137 U3.138 U3.141 U3.142 U3.144 U4. U4.6 U4.7 U5. U6. U6.0 U6.3 U6.5 U6.9 U6.10 U6.12 U6.13 U8. U8.2 U8.12 U8.13 U8.19 U8.20 U8.26 U9.0 U9.23 U10. U11.7 U11.10@129.275,-62.3 U11.25 U12.10@127.15,-63.577 U12.25 U13. U14. U15. U16. U17. U18. VT1. VT3. VT4. VT5. VT6. VT7. VT8. X2. X2.6 X2.7 X2.8 X3.13 X4.30 X7.0 X7.2 X7.3 X7.9 X7.11 X11.13 XG1.0
copper on no net:
  other v13: 2.69,-12.645 2.69,-2.645

## Polygon pours and split planes (outlines as drawn)
GND on Layer 3 "Layer 2-No Net" (solid, remove dead copper, pour order 0): 0,0 144,0 144,-83.65 7.475,-83.65 7.475,-15 7.45,-14.975 0,-14.975
GND on Layer 2 "Layer 1-No Net" (solid, remove dead copper, pour order 2): 0,0 144,0 144,-83.65 7.65,-83.65 7.5,-83.5 7.5,-15 0,-15
GND on Bottom Layer "Bottom Layer-No Net" (solid, remove dead copper, pour order 4): 0,0 0,-15.5 7.5,-15.5 7.5,-83.75 144,-83.75 144,0
GND on Top Layer "Top Layer-No Net" (solid, remove dead copper, pour order 6): 0,0 144,0 144,-83.65 7.65,-83.65 7.5,-83.5 7.5,-15.5 0,-15.5

## Keep-outs
Keep-Out Layer:
  the board outline again, w0.2

## Other copper
Top Layer:
  pour cut-out: 76.4,-70.5 76.3,-70.4 76.3,-61.1 95.9,-61.1 95.9,-70.5
Bottom Layer:
  rectangle net +3.3DAC: 98.725,-3.675 105.725,-0.5
  rectangle net +5DAC: 90.7,-3.675 97.7,-0.5
  rectangle net +1.2V: 82.8,-3.675 89.8,-0.5
  rectangle net +2.5V: 74.95,-3.675 81.95,-0.5
  rectangle net +3.3V: 26.65,-81.5 32.85,-70.65
  region net +8Power: 103.875,-13.375 104.025,-13.225 108.35,-13.225 109.125,-14 116.375,-14 116.375,-15.55 115.55,-16.375 103.875,-16.375
  region net +8Power: 115.4,-9.575 116.375,-9.575 116.375,-14.625 112.15,-14.625 112.15,-12.075 112.875,-11.35 112.875,-9.575 113.9,-9.575 113.9,-10.175 115.4,-10.175
  region net POWER-ON: 115.4,-8.75 120.907,-8.75 124.293,-5.364 124.293,-1.868 124.275,-1.85 118.05,-1.85 115.4,-4.5
  region net NetC201_2: 16.275,-0.325 16.275,-7.325 19.875,-7.325 20.375,-6.825 20.375,-3.925 20.875,-3.425 27.075,-3.425 27.675,-4.025 27.675,-6.625 27.975,-6.925 29.375,-6.925 29.375,-0.325